# Altium PCB Copy of Mixed Signal Board Project.PcbDoc (part 1 of 2) (continued)
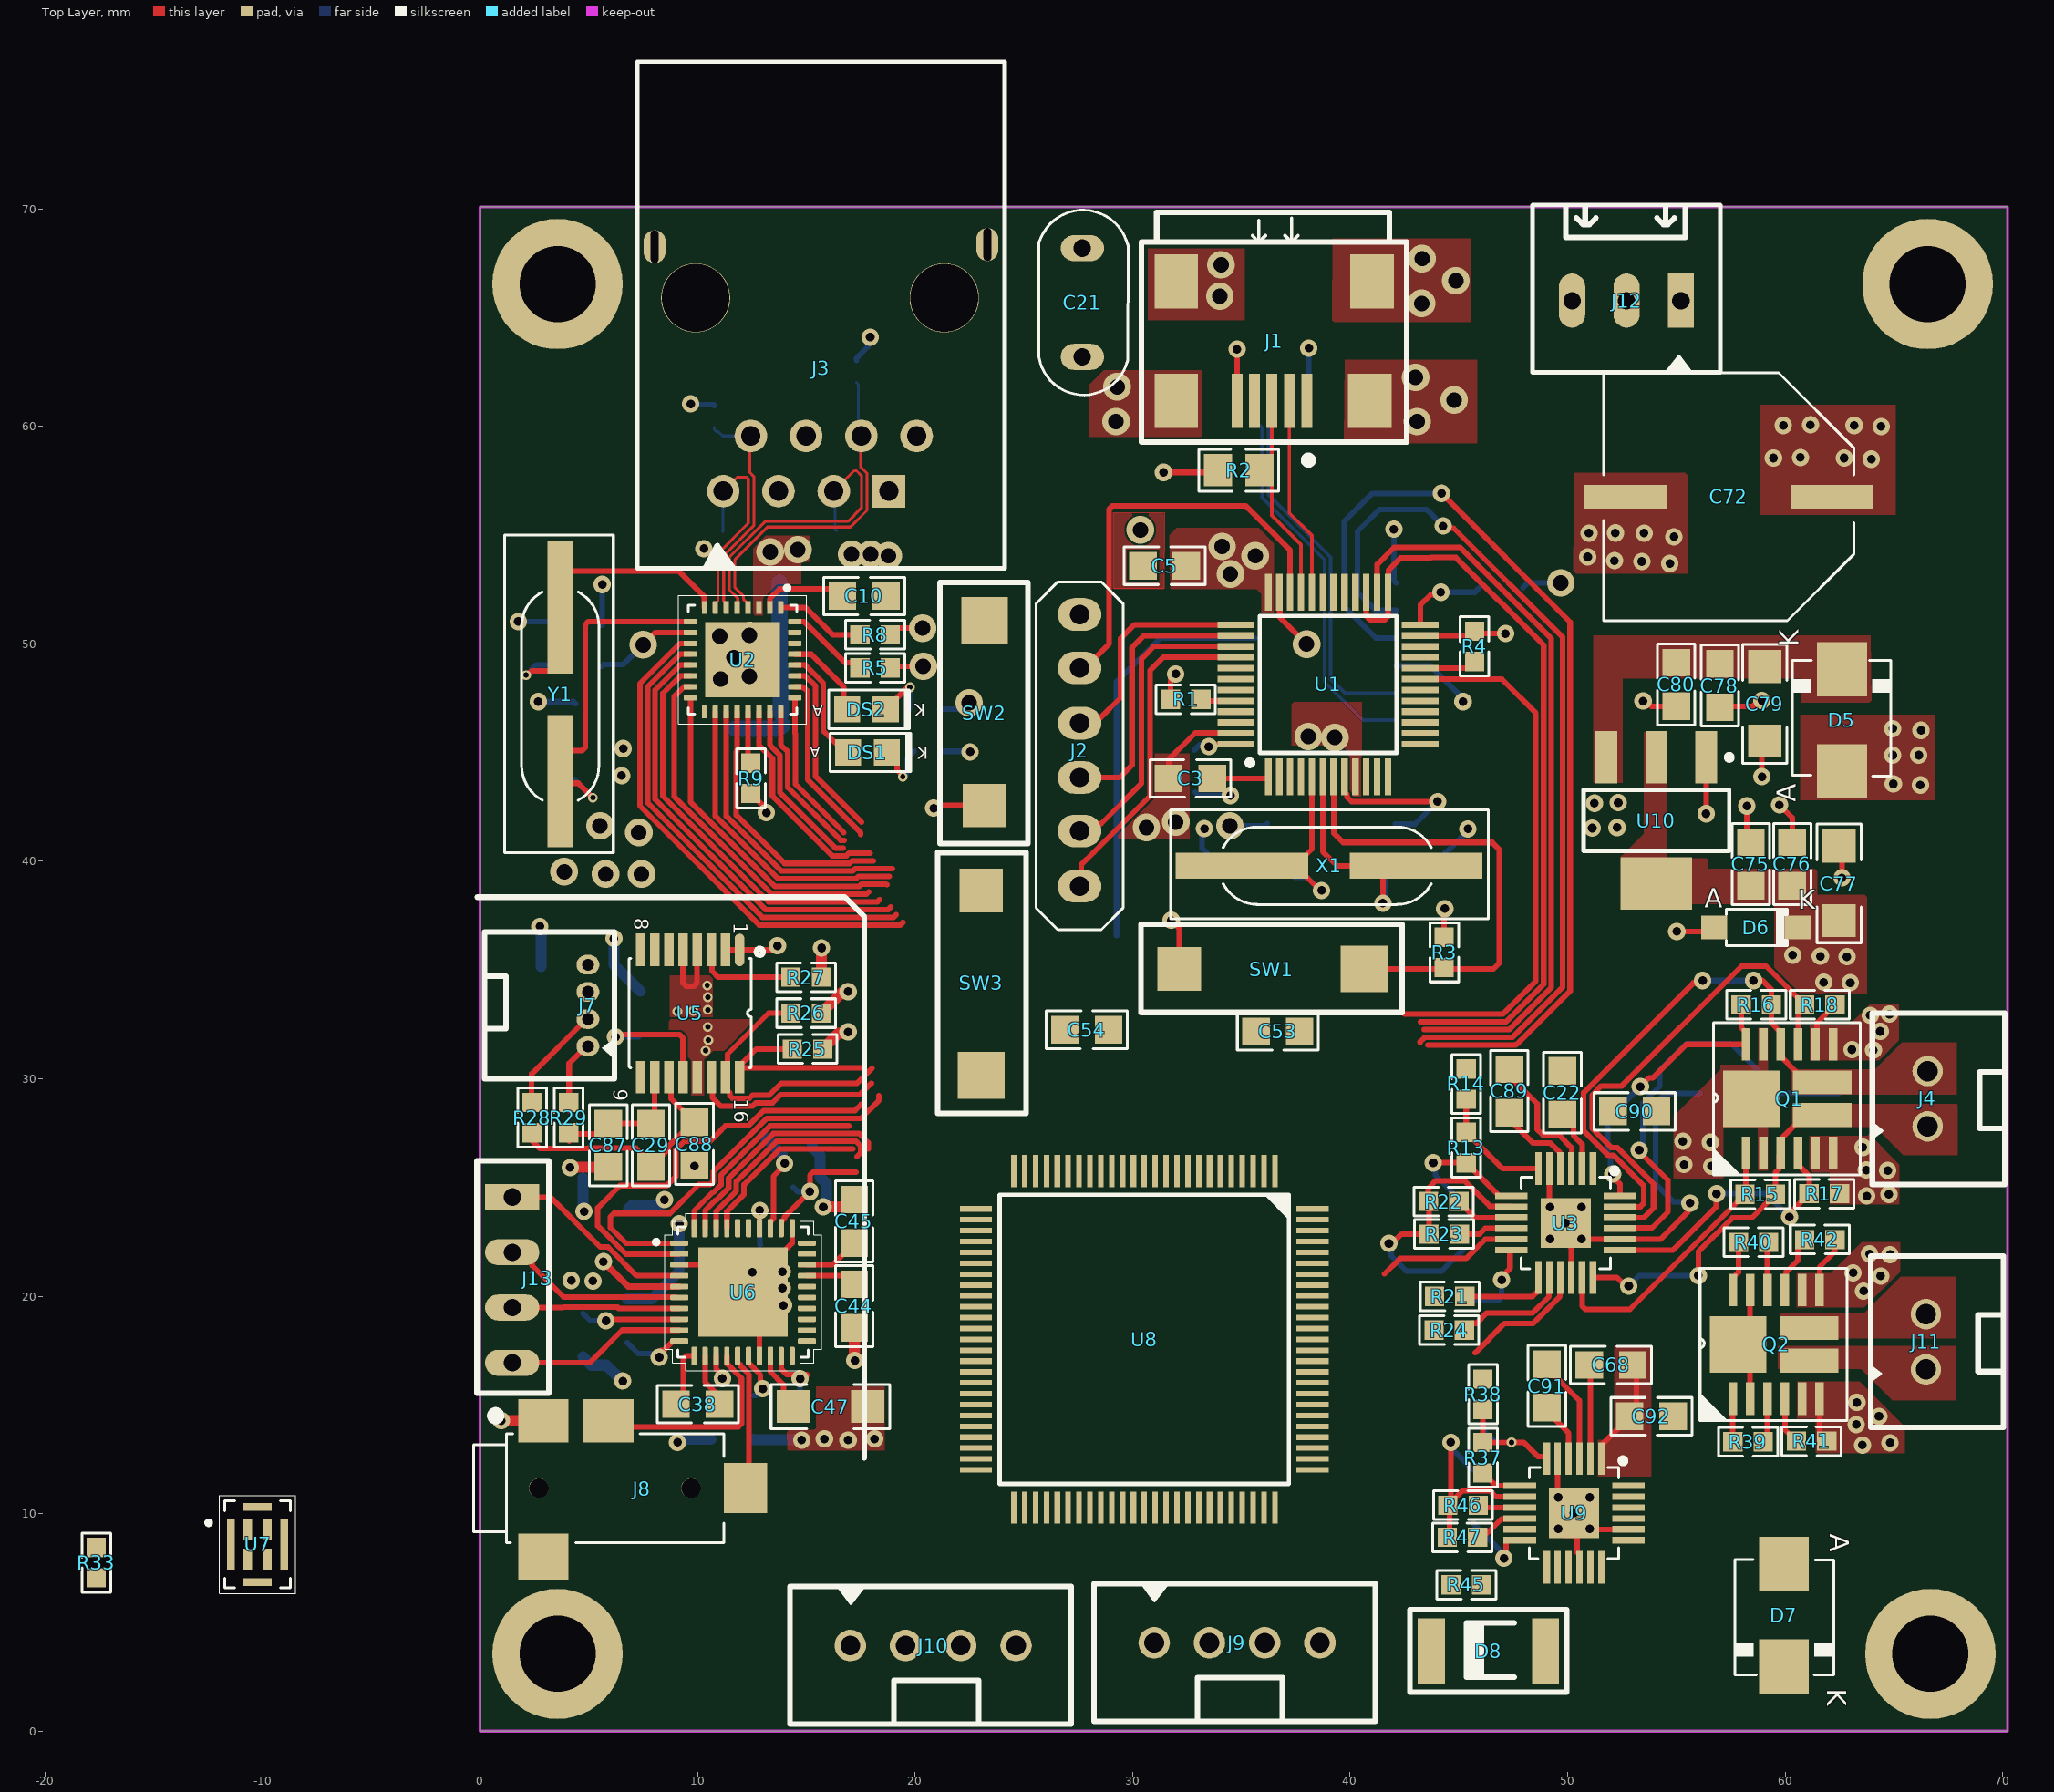
[diagram p0: Top Layer view]
## Components (designator, comment, footprint, x,y, rotation, side; value= is the part's Value field where it differs from the comment)
C1 "4.7uF" CAP_0805 31.826,45.11 r0 bottom
C2 "0.1uF" CAP_0805 31.877,43.18 r180 bottom
C3 "0.1uF" CAP_0805 32.655,43.815 r180 top
C4 "30pF" CAP_0805 35.941,39.776 r0 bottom
C5 "0.1uF" CAP_0805 31.471,53.594 r0 top
C6 "30pF" CAP_0805 42.621,39.624 r180 bottom
C7 "10nF" CAP_0805 37.186,41.732 r0 bottom
C8 "1uF" CAP_0805 41.072,41.707 r180 bottom
C9 "0.1uF" CAP_0805 46.939,52.578 r0 bottom
C10 "2nF" CAP_0805 17.653,52.197 r0 top
C11 "10uF" CAP_1206 15.596,46.253 r0 bottom
C12 "1uF" CAP_0805 14.754,48.895 r180 bottom
C13 "0.1uF" CAP_0805 14.754,50.927 r180 bottom
C14 "10nF" CAP_0805 14.754,52.832 r180 bottom
C15 "20pF" CAP_0805 3.556,50.038 r90 bottom
C16 "10nF" CAP_0805 9.271,42.672 r90 bottom
C17 "0.1uF" CAP_0805 11.303,42.672 r90 bottom
C18 "1uF" CAP_0805 14.63,42.85 r90 bottom
C19 "10uF" CAP_1206 16.688,42.139 r270 bottom
C20 "20pF" CAP_0805 3.683,42.774 r270 bottom
C21 "10nF" CAP_P196_102X287_H332_RAD_TH 27.686,68.199 r270 top
C22 "1uF" CAP_0805 49.759,29.362 r90 top
C23 "100uF" ACAP_P236_D305_H303_RAD 50.419,32.385 r180 bottom
C24 "1uF" CAP_0805 44.221,24.257 r0 bottom
C25 "1uF" CAP_0805 44.192,22.138 r180 bottom
C26 "0.1uF" CAP_0805 31.496,53.594 r0 bottom
C27 "0.1uF" CAP_0805 9.398,33.02 r270 bottom
C28 "0.1uF" CAP_0805 7.366,33.02 r270 bottom
C29 "0.1uF" CAP_0805 7.849,26.949 r270 top
C30 "0.1uF" CAP_0805 2.794,34.163 r270 bottom
C31 "22nF" CAP_0805 6.223,14.249 r180 bottom
C32 "22nF" CAP_0805 16.104,10.135 r270 bottom
C33 "0.1uF" CAP_0805 11.862,18.491 r180 bottom
C34 "1uF" CAP_0805 12.878,21.361 r90 bottom
C35 "0.1uF" CAP_0805 14.986,21.336 r90 bottom
C36 "0.1uF" CAP_0805 12.548,14.427 r90 bottom
C37 "1uF" CAP_0805 10.617,14.427 r90 bottom
C38 "1uF" CAP_0805 10.008,15.037 r0 top
C39 "1uF" CAP_0805 6.756,18.872 r270 bottom
C40 "0.1uF" CAP_0805 4.724,18.212 r90 bottom
C41 "10uF" CAP_1206 4.719,23.737 r270 bottom
C42 "0.1uF" CAP_0805 6.833,23.038 r270 bottom
C43 "0.1uF" CAP_0805 14.097,27.305 r180 bottom
C44 "150pF" CAP_0805 17.196,19.549 r270 top
C45 "150pF" CAP_0805 17.196,23.444 r90 top
C46 "1uF" CAP_0805 15.265,14.961 r0 bottom
C47 "10uF" CAP_1206 16.104,14.935 r0 top
C48 "1uF" CAP_0805 -15.342,7.747 r90 bottom
C49 "0.1uF" CAP_0805 -13.767,7.722 r90 bottom
C50 "0.1uF" CAP_0805 36.195,6.096 r180 bottom
C51 "0.1uF" CAP_0805 21.971,5.969 r180 bottom
C52 "0.1uF" CAP_0805 23.673,34.163 r270 bottom
C53 "30pF" CAP_0805 36.678,32.182 r180 top
C54 "30pF" CAP_0805 27.889,32.258 r0 top
C55 "4.7nF" CAP_0805 35.001,22.25 r0 bottom
C56 "0.1uF" CAP_0805 35.941,13.513 r270 bottom
C57 "0.1uF" CAP_0805 25.019,13.513 r270 bottom
C58 "0.1uF" CAP_0805 23.063,21.539 r90 bottom
C59 "0.1uF" CAP_0805 28.829,21.615 r90 bottom
C60 "0.1uF" CAP_0805 31.775,22.733 r90 bottom
C61 "2.2uF" CAP_0805 22.86,13.614 r270 bottom
C62 "2.2uF" CAP_0805 34.011,13.487 r270 bottom
C63 "1uF" CAP_0805 28.245,24.384 r180 bottom
C64 "1uF" CAP_0805 24.257,24.384 r0 bottom
C65 "0.1uF" CAP_0805 25.121,21.59 r90 bottom
C66 "0.1uF" CAP_0805 27.026,21.59 r90 bottom
C67 "0.1uF" CAP_0805 34.976,24.206 r0 bottom
C68 "1uF" CAP_0805 51.994,16.84 r0 top
C70 "1uF" CAP_0805 46.152,14.808 r270 bottom
C71 "1uF" CAP_0805 44.653,12.014 r180 bottom
C72 "100uF" ACAP_P305_D393_H393_RAD 57.404,56.769 r180 top
C73 "100uF" ACAP_P305_D393_H393_RAD 57.404,56.769 r180 bottom
C74 "100uF" ACAP_P305_D393_H393_RAD 57.023,45.847 r180 bottom
C75 "0.1uF" CAP_0805 58.42,39.878 r270 top
C76 "1uF" CAP_0805 60.325,39.878 r270 top
C77 "10uF" CAP_1206 62.484,38.989 r270 top
C78 "1uF" CAP_0805 56.998,48.082 r270 top
C79 "10uF" CAP_1206 59.055,47.244 r90 top
C80 "0.1uF" CAP_0805 54.991,48.133 r90 top
C81 "0.1uF" CAP_0805 46.609,3.175 r270 bottom
C82 "1uF" CAP_0805 44.577,3.175 r270 bottom
C83 "10uF" CAP_1206 42.418,3.937 r270 bottom
C84 "1uF" CAP_0805 58.928,5.207 r270 bottom
C85 "10uF" CAP_1206 60.833,4.953 r90 bottom
C86 "0.1uF" CAP_0805 57.023,5.207 r90 bottom
C87 "10nF" CAP_0805 5.893,26.949 r90 top
C88 "10nF" CAP_0805 9.855,27 r90 top
C89 "0.1uF" CAP_0805 47.32,29.439 r90 top
C90 "0.1uF" CAP_0805 53.086,28.499 r180 top
C91 "0.1uF" CAP_0805 49.047,15.875 r90 top
C92 "0.1uF" CAP_0805 53.848,14.478 r180 top
C93 "20pF" CAP_0805 10.084,39.675 r180 bottom
D1 "ESD3V3D9-TP" DIO_SOD-923 11.151,54.664 r270 bottom
D2 "ESD3V3D9-TP" DIO_SOD-923 10.77,60.449 r90 bottom
D3 "ESD3V3D9-TP" DIO_SOD-923 16.383,54.686 r270 bottom
D4 "ESD3V3D9-TP" DIO_SOD-923 17.297,62.532 r90 bottom
D5 "MBRS130LT3G" DIO_SMB_DO-214AA 62.611,46.482 r90 top
D6 "BZT52C3V3-7-F" DIO_SOD-123 58.674,36.957 r0 top
D7 "MBRS130LT3G" DIO_SMB_DO-214AA 59.944,5.334 r270 top
D8 "1.8V Zener" DIO_DO-213AB_SMD 46.355,3.683 r0 top
DS1 "RED LED" LED_0805 17.805,45.009 r180 top
DS2 "RED LED" LED_0805 17.755,46.99 r180 top
FB1 "1K" IND_0805 10.744,46.152 r180 bottom
FB2 "1K" IND_0805 11.684,32.959 r270 bottom
FB3 "1K" IND_0805 10.795,21.387 r90 bottom
FB4 "1K" IND_0805 26.441,26.34 r0 bottom
J1 "USB2.0 MINI B" CON_690-005-299-043 32.004,61.175 r270 top
J2 "Bergstrip 2.54mm" CON6_100_59D78_TH_ST 27.559,38.855 r90 top
J3 "RJ45 LAN" CON10_P106_RJ45_TH_ST 21.321,65.968 r180 top
J4 "B2B-XH-A(LF)(SN)" CON2_100_B2B-XH-A_TH_ST 66.548,27.813 r90 top
J5 "USB2.0 MINI B" CON_690-005-299-043 40.904,61.175 r270 bottom
J7 "1.25MM Spade 4PIN" CON4_50_653004117322_TH_RA 4.953,35.246 r90 top
J8 "4X1 STEREO" CON_SJ-2504A-SMT-TR_SMD 6.198,11.176 r0 top
J9 "B4B-XH-A(LF)(SN)" CON4_100_B4B-XH-A_TH_ST 30.988,4.064 r0 top
J10 "B4B-XH-A(LF)(SN)" CON4_100_B4B-XH-A_TH_ST 17.018,3.937 r0 top
J11 "B2B-XH-A(LF)(SN)" CON2_100_B2B-XH-A_TH_ST 66.472,16.637 r90 top
J12 "Terminal Block 2.5mm" CON3_100_TB_TH_ST 52.705,65.786 r270 top
J13 "4X1 BERG STRIP" CON4_100_40D72_TH_ST_MALE 1.473,24.562 r0 top
MH1 "Mounting Hole" MOUNTING 3.556,66.548 r180 bottom
MH2 "Mounting Hole" MOUNTING 66.548,66.548 r180 bottom
MH3 "Mounting Hole" MOUNTING 3.556,3.556 r180 bottom
MH4 "Mounting Hole" MOUNTING 66.675,3.556 r180 bottom
Q1 "FDMQ86530L" DFN5045-12_33_212_27X15_SMD_1 60.198,29.083 r0 top
Q2 "FDMQ86530L" DFN5045-12_33_212_27X15_SMD_1 59.587,17.792 r0 top
R1 "100K" RES_0603 32.436,47.447 r180 top
R2 "1.5K" RES_0805 34.874,57.988 r0 top
R3 "10K" RES_0603 44.323,35.814 r90 top
R4 "100K" RES_0603 45.72,49.886 r270 top
R5 "10K" RES_0603 18.158,48.895 r0 top
R6 "3K3" RES_0603 20.65,45.06 r0 bottom
R7 "3K3" RES_0603 20.422,46.99 r0 bottom
R8 "10K" RES_0603 18.158,50.419 r0 top
R9 "10K" RES_0603 12.446,43.815 r270 top
R10 "6.49K" RES_0805 5.588,49.911 r90 bottom
R11 "10K" RES_0603 5.08,47.244 r0 bottom
R12 "1M" RES_1206 25.527,67.31 r90 bottom
R13 "2K" RES_0603 45.335,26.837 r90 top
R14 "3K3" RES_0603 45.335,29.758 r90 top
R15 "10K" RES_0603 58.852,24.689 r180 top
R16 "10K" RES_0603 58.674,33.401 r180 top
R17 "10K" RES_0603 61.798,24.714 r180 top
R18 "10K" RES_0603 61.595,33.401 r180 top
R19 "33K" RES_0805 44.247,19.812 r180 bottom
R20 "50mOHM" RES_2512 59.284,29.337 r0 bottom
R21 "10K" RES_0603 44.577,19.99 r0 top
R22 "10K" RES_0603 44.298,24.359 r180 top
R23 "10K" RES_0603 44.323,22.86 r180 top
R24 "10K" RES_0603 44.552,18.44 r0 top
R25 "10K" RES_0603 15.049,31.369 r0 top
R26 "10K" RES_0603 14.986,33.02 r0 top
R27 "10K" RES_0603 14.986,34.671 r0 top
R28 "1K" RES_0603 2.388,28.219 r90 top
R29 "1K" RES_0603 4.064,28.219 r90 top
R30 "51.1R" RES_0603 6.68,12.294 r180 bottom
R31 "51.1R" RES_0603 14.224,10.643 r270 bottom
R32 "10K" RES_0603 13.691,25.019 r180 bottom
R33 "10K" RES_0603 -17.653,7.747 r90 top
R34 "100K" RES_0603 25.883,18.491 r180 bottom
R35 "10K" RES_0603 21.895,33.706 r90 bottom
R36 "100K" RES_0603 35.484,20.472 r0 bottom
R37 "2K" RES_0603 46.101,12.573 r90 top
R38 "3K3" RES_0603 46.101,15.494 r90 top
R39 "10K" RES_0603 58.293,13.31 r180 top
R40 "10K" RES_0603 58.547,22.479 r180 top
R41 "10K" RES_0603 61.214,13.335 r180 top
R42 "10K" RES_0603 61.595,22.606 r180 top
R43 "33K" RES_0805 44.704,9.652 r180 bottom
R44 "50mOHM" RES_2512 59.055,18.161 r0 bottom
R45 "10K" RES_0603 45.339,6.731 r0 top
R46 "10K" RES_0603 45.187,10.389 r180 top
R47 "10K" RES_0603 45.161,8.915 r180 top
R48 "10K" RES_0603 45.339,6.35 r180 bottom
SW1 "TACTILE SWITCH" SW_342_SMD 32.14,35.052 r180 top
SW2 "TACTILE SWITCH" SW_342_SMD 23.19,42.57 r270 top
SW3 "TACTILE SWITCH" SW_342_SMD 23.038,38.659 r90 top
U1 "STM32F103C8T6" LQFP-48_19.6_393_58X11_SMD 38.989,48.133 r90 top
U2 "DP83826IRHBR" VQFN32_19_218_23X9_SMD 12.065,49.276 r270 top
U3 "DRV8701ERGET" VFQFN24_19.6_196_12X32_SMD_1 47.911,24.618 r270 top
U4 "CH340C" SOIC16_50_284_25X90_SMT 38.862,48.387 r180 bottom
U5 "ADS122C04IPW" TSSOP16_25-59_294_54X14_SMT 9.652,33.02 r270 top
U6 "CS43L22-CNZ" QFN40_19_284_33X9_SMD 12.09,20.193 r0 top
U7 "IMP34DT05TR" HCLGA-4_53_137_15X37_SMD -10.236,8.585 r0 top
U8 "STM32F407VGT6" QFN100_19.6_669_58X10_SMD 30.408,18.018 r270 top locked
U9 "DRV8701ERGET" VFQFN24_19.6_196_12X32_SMD_1 48.292,11.283 r270 top
U10 "LD1117S33CTR" SOT223_3 54.102,41.91 r270 top
U11 "LD1117S18TR" SOT223_3 51.943,3.81 r180 bottom
X1 "8Mhz" XTAL_314_240X47_SMD 35.028,39.802 r0 top
X2 "8Mhz" XTAL_314_240X47_SMD 27.864,32.156 r0 bottom
Y1 "25Mhz -14mm" XTAL_314_240X47_SMD 3.683,43.688 r90 top

## Footprints (in the part's own frame and the unit in brackets; to place one, negate y for a bottom-side part, rotate by r counter-clockwise, add the part's x,y. Pads: shape width x height; smd on the part's side, far side on the other; paste and mask are expansions set on the pad)
ACAP_P236_D305_H303_RAD [mm] "Aluminium Capacitor"
  rect 3x0.8 smd mask+0.076: 1(-3,0) 2(3,0)
  silkscreen extent -3.75,-3.5 4,3.5, body extent -3.5,-3.3 3.5,3.3, height 8.11
ACAP_P305_D393_H393_RAD [mm] "Aluminium Capacitor"
  rect 3.81x1.1 smd: 1(-4.75,0) 2(4.75,0)
  silkscreen extent -5.75,-5.7 5.75,5.7, body extent -5.5,-5.2 5.5,5.2, height 10.41
CAP_0805 [mm] "Ceramic Capacitor"
  rect 1.27x1.27 smd mask+0.076: 1(-1,0) 2(1,0)
  silkscreen extent -1.86,-0.86 1.86,0.86, body extent -1,-0.62 1,0.63, height 0.78
CAP_1206 [mil] "Ceramic Capacitor"
  rect 60x60 smd: 1(-67.49,-0.2) 2(67.51,-0.2)
  silkscreen extent -107,-40 108,40, body extent -63,-31 63,32, height 39
CAP_P196_102X287_H332_RAD_TH [mm] "Y1 CAP, TROUGH HOLE"
  oval 1.2x2 hole 0.8 mask+0.076: 1(0,0) 2(5,0)
  silkscreen extent -1.75,-2 6.75,2.1, body extent -1.04,-1.3 6.04,1.3, height 9.14
CON2_100_B2B-XH-A_TH_ST [mm] "Connector Header"
  round 1.4 hole 0.94: 1(0,0) 2(2.54,0)
  silkscreen extent -2.67,-3.56 5.21,2.54, body extent -2.41,-3.5 5.01,2.54, height 8.44
CON3_100_TB_TH_ST [mm]
  rect 2.5x1.2 hole 0.8: 1(0,2.5)
  oval 2.5x1.2 hole 0.8: 2(0,0) 3(0,-2.5)
  silkscreen extent -4.4,-4.32 3.3,4.32, body extent -2.5,-4.07 3.1,4.07, height 12.86
CON4_50_653004117322_TH_RA [mm] "wurth connector"
  oval 0.9x1.05 hole 0.55: 1(-3.75,0) 2(-2.5,0) 3(-1.25,0) 4(0,0)
  silkscreen extent -5.25,-1.34 1.5,4.75, body extent -5.27,-0.45 1.48,4.98, height 3.65
CON4_100_40D72_TH_ST_MALE [mm] "Berg Strip"
  rect 2.5x1.2 hole 0.8: 1(0,0)
  oval 2.5x1.2 hole 0.8: 2(0,-2.54) 3(0,-5.08) 4(0,-7.62)
  round 1.016 on Top Overlay: ""(2.311,0.178)
  silkscreen extent -1.63,-9.02 1.68,1.68, body extent -1.14,-8.76 1.4,1.4, height 8.55
CON4_100_B4B-XH-A_TH_ST [mm] "Connector Header"
  round 1.45 hole 0.91: 1(0,0) 2(2.54,0) 3(5.08,0) 4(7.62,0)
  silkscreen extent -2.77,-3.61 10.16,2.72, body extent -2.4,-3.28 10,2.48, height 8.32
CON6_100_59D78_TH_ST [mm] "Bergstrip"
  oval 1.5x2 hole 0.9: 1(0,0) 2(2.54,0) 3(5,0) 4(7.5,0) 5(10.04,0) 6(12.5,0)
  silkscreen extent -2,-2 14,2, body extent -1.35,-1.24 13.89,1.3, height 8.55
CON10_P106_RJ45_TH_ST [mm] "LAN Connector"
  round 1.5 hole 0.89 paste-1000 mask+0: 1(10.145,8.945) 2(8.875,6.405) 3(7.605,8.945) 4(6.335,6.405) 5(5.065,8.945) 6(3.795,6.405) 8(1.255,6.405)
  rect 1.5x1.5 hole 0.89 paste-1000 mask+0: 7(2.525,8.945)
  oval 1x1.524 hole 1.5 slot 0.35 at 0 deg: 9(13.3,-2.3) 10(-2,-2.4)
  round 3.18 hole 3.12 unplated paste-1000 mask+0: ""(-0.015,0.055) ""(11.415,0.055)
  silkscreen extent -2.79,-10.8 14.1,12.5, body extent -2.53,-3.5 13.73,12.25, height 13.04
CON_690-005-299-043 [mm] "USB MINI-B"
  rect 2.5x0.5 smd: 1(0,6) 2(0,5.2) 3(0,4.4) 4(0,3.6) 5(0,2.8)
  rect 2.5x2 smd: 6(-5.5,9) 6(-5.5,0) 6(0,8.9) 6(0,0)
  silkscreen extent -8.66,-1.6 2.88,10.6, body extent -8.4,-0.55 0.6,9.35, height 3.96
CON_SJ-2504A-SMT-TR_SMD [mm]
  rect 2.3x2 smd: 1(-3.3,3.1) 3(-0.3,3.1)
  rect 2x2.3 smd: 2(6,0)
  rect 2.3x2.1 smd: 4(-3.3,-3.15)
  round 0.9 hole 0.9 unplated: ""(-3.5,0) ""(3.5,0)
  silkscreen extent -6.5,-2.5 5,3.53, body extent -6.5,-4 6.5,4, height 4.01
DFN5045-12_33_212_27X15_SMD_1 [mm] "CASE: DFN5045"
  rect 0.4x1.5 smd: 1(-2,-2.5) 2(-1.2,-2.5) 3(-0.4,-2.5) 4(0.4,-2.5) 5(1.2,-2.5) 6(2,-2.5) 7(2,2.5) 8(1.2,2.5) 9(0.4,2.5) 10(-0.4,2.5) 11(-1.2,2.5) 12(-2,2.5)
  rect 2.7x1.1 smd: 13(1.5,-0.75) 14(1.5,0.75)
  rect 2.6x2.6 smd: 15(-1.75,0)
  silkscreen extent -3.5,-3.5 3.25,3.5, body extent -2.5,-2.36 2.5,2.36, height 0.9
DIO_DO-213AB_SMD [mm] "Diode"
  rect 1.25x3 smd: A(2.625,0) K(-2.625,0)
  silkscreen extent -3.61,-1.9 3.6,1.9, body extent -2.49,-1.25 2.51,1.25, height 2.75
DIO_SMB_DO-214AA [mm] "Diode"
  rect 2.5x2.3 smd: A(-2.35,0) K(2.354,0)
  silkscreen extent -2.56,-2.25 2.75,2.29, body extent -2.56,-1.84 2.84,1.76, height 2.27
DIO_SOD-123 [mm] "DIODE GEN PURP"
  rect 1.2x1.1 smd mask+0.076: A(-1.937,0.006) K(1.923,0.006)
  silkscreen extent -1.38,-0.84 1.44,0.86, body extent -1.92,-0.84 1.92,0.86, height 1.43
DIO_SOD-923 [mm]
  rrect25% 0.49x0.3 smd: A(0.505,0) K(-0.505,0)
  silkscreen extent -1.27,-0.33 1.02,0.33
HCLGA-4_53_137_15X37_SMD [mm]
  rect 0.4x0.95 smd: 1(-0.45,0.675) 2(-0.45,-0.675) 3(0.45,-0.675) 4(0.45,0.675)
  rect 0.35x2.3 smd: 5(-1.225,0) 5(1.225,0)
  rect 1.3x0.35 smd: 5(0,-1.725) 5(0,1.725)
  silkscreen extent -2.35,-2.25 1.75,2.25, body extent -1.5,-2 1.5,2, height 1.02
IND_0805 [mm] "Ferrite Bead"
  rect 1.3x1.5 smd mask+0.076: 1(0.95,0) 2(-0.95,0)
  silkscreen extent -1.83,-0.97 1.83,0.97, body extent -1,-0.63 1,0.62, height 0.5
LED_0805 [mm] "LED"
  rect 1.2x1.2 smd mask+0.076: A(0.889,0) K(-0.889,0)
  silkscreen extent -1.99,-0.89 1.73,0.89, body extent -1.01,-0.62 1.01,0.63, height 1.1
LQFP-48_19.6_393_58X11_SMD [mm] "48LQFP"
  rect 1.7x0.3 smd mask+0.076: 1(-4.238,2.75) 2(-4.238,2.25) 3(-4.238,1.75) 4(-4.238,1.25) 5(-4.238,0.75) 6(-4.238,0.25) 7(-4.238,-0.25) 8(-4.238,-0.75) 9(-4.238,-1.25) 10(-4.238,-1.75) 11(-4.238,-2.25) 12(-4.238,-2.75) 25(4.238,-2.75) 26(4.238,-2.25) 27(4.238,-1.75) 28(4.238,-1.25) 29(4.238,-0.75) 30(4.238,-0.25) 31(4.238,0.25) 32(4.238,0.75) 33(4.238,1.25) 34(4.238,1.75) 35(4.238,2.25) 36(4.238,2.75)
  rect 0.3x1.7 smd mask+0.076: 13(-2.75,-4.238) 14(-2.25,-4.238) 15(-1.75,-4.238) 16(-1.25,-4.238) 17(-0.75,-4.238) 18(-0.25,-4.238) 19(0.25,-4.238) 20(0.75,-4.238) 21(1.25,-4.238) 22(1.75,-4.238) 23(2.25,-4.238) 24(2.75,-4.238) 37(2.75,4.238) 38(2.25,4.238) 39(1.75,4.238) 40(1.25,4.238) 41(0.75,4.238) 42(0.25,4.238) 43(-0.25,4.238) 44(-0.75,4.238) 45(-1.25,4.238) 46(-1.75,4.238) 47(-2.25,4.238) 48(-2.75,4.238)
  silkscreen extent -3.72,-3.15 3.15,3.72, body extent -4.5,-4.5 4.5,4.5, height 1.7
MOUNTING [mm] "MH"
  round 6 hole 3.5: 1(0,0)
  silkscreen extent -3.3,-3.3 3.3,3.3, body extent -3,-2.75 3,2.75, height 4.24
QFN40_19_284_33X9_SMD [mm]
  rrect48% 0.84x0.25 smd: 1(-2.935,2.25) 2(-2.935,1.75) 3(-2.935,1.25) 4(-2.935,0.75) 5(-2.935,0.25) 6(-2.935,-0.25) 7(-2.935,-0.75) 8(-2.935,-1.25) 9(-2.935,-1.75) 10(-2.935,-2.25) 21(2.935,-2.25) 22(2.935,-1.75) 23(2.935,-1.25) 24(2.935,-0.75) 25(2.935,-0.25) 26(2.935,0.25) 27(2.935,0.75) 28(2.935,1.25) 29(2.935,1.75) 30(2.935,2.25)
  rrect48% 0.25x0.84 smd: 11(-2.25,-2.935) 12(-1.75,-2.935) 13(-1.25,-2.935) 14(-0.75,-2.935) 15(-0.25,-2.935) 16(0.25,-2.935) 17(0.75,-2.935) 18(1.25,-2.935) 19(1.75,-2.935) 20(2.25,-2.935) 31(2.25,2.935) 32(1.75,2.935) 33(1.25,2.935) 34(0.75,2.935) 35(0.25,2.935) 36(-0.25,2.935) 37(-0.75,2.935) 38(-1.25,2.935) 39(-1.75,2.935) 40(-2.25,2.935)
  rect 4.1x4.1 smd paste-3: 41(0,0)
  silkscreen extent -4.1,-3.61 3.61,3.61, body extent -3.07,-3 3.07,3.15, height 1.06
QFN100_19.6_669_58X10_SMD [mm] "CASE: QFN"
  rect 1.475x0.254 smd mask+0.076: 1(-7.738,6.127) 2(-7.738,5.627) 3(-7.738,5.127) 4(-7.738,4.627) 5(-7.738,4.127) 6(-7.738,3.627) 7(-7.738,3.127) 8(-7.738,2.627) 9(-7.738,2.127) 10(-7.738,1.627) 11(-7.738,1.127) 12(-7.738,0.627) 13(-7.738,0.127) 14(-7.738,-0.373) 15(-7.738,-0.873) 16(-7.738,-1.373) 17(-7.738,-1.873) 18(-7.738,-2.373) 19(-7.738,-2.873) 20(-7.738,-3.373) 21(-7.738,-3.873) 22(-7.738,-4.373) 23(-7.738,-4.873) 24(-7.738,-5.373) 25(-7.738,-5.873) 51(7.738,-5.873) 52(7.738,-5.373) 53(7.738,-4.873) 54(7.738,-4.373) 55(7.738,-3.873) 56(7.738,-3.373) 57(7.738,-2.873) 58(7.738,-2.373) 59(7.738,-1.873) 60(7.738,-1.373) 61(7.738,-0.873) 62(7.738,-0.373) 63(7.738,0.127) 64(7.738,0.627) 65(7.738,1.127) 66(7.738,1.627) 67(7.738,2.127) 68(7.738,2.627) 69(7.738,3.127) 70(7.738,3.627) 71(7.738,4.127) 72(7.738,4.627) 73(7.738,5.127) 74(7.738,5.627) 75(7.738,6.127)
  rect 0.254x1.475 smd mask+0.076: 26(-6,-7.611) 27(-5.5,-7.611) 28(-5,-7.611) 29(-4.5,-7.611) 30(-4,-7.611) 31(-3.5,-7.611) 32(-3,-7.611) 33(-2.5,-7.611) 34(-2,-7.611) 35(-1.5,-7.611) 36(-1,-7.611) 37(-0.5,-7.611) 38(0,-7.611) 39(0.5,-7.611) 40(1,-7.611) 41(1.5,-7.611) 42(2,-7.611) 43(2.5,-7.611) 44(3,-7.611) 45(3.5,-7.611) 46(4,-7.611) 47(4.5,-7.611) 48(5,-7.611) 49(5.5,-7.611) 50(6,-7.611) 76(6,7.865) 77(5.5,7.865) 78(5,7.865) 79(4.5,7.865) 80(4,7.865) 81(3.5,7.865) 82(3,7.865) 83(2.5,7.865) 84(2,7.865) 85(1.5,7.865) 86(1,7.865) 87(0.5,7.865) 88(0,7.865) 89(-0.5,7.865) 90(-1,7.865) 91(-1.5,7.865) 92(-2,7.865) 93(-2.5,7.865) 94(-3,7.865) 95(-3.5,7.865) 96(-4,7.865) 97(-4.5,7.865) 98(-5,7.865) 99(-5.5,7.865) 100(-6,7.865)
  silkscreen extent -6.65,-6.52 6.65,6.78, body extent -8,-8 8,8.13, height 1.6
RES_0603 [mil] "CASE: 0603"
  rect 35x35 smd mask+3: 1(-27.5,0) 2(27.5,0)
  silkscreen extent -53,-26 54,26, body extent -31,-16 31,16, height 18
RES_0805 [mm] "Resister"
  rect 1.3x1.5 smd mask+0.076: 1(0.95,0) 2(-0.95,0)
  silkscreen extent -1.83,-0.97 1.83,0.97, body extent -1,-0.63 1,0.62, height 0.5
RES_1206 [mm] "CASE: 1206"
  rect 1.35x1.75 smd: 1(1.5,0) 2(-1.5,0)
  silkscreen extent -2.44,-1.15 2.46,1.11, body extent -1.55,-0.77 1.55,0.78, height 0.55
RES_2512 [mil] "CASE: 2512"
  rect 80x125 smd: 1(-125,0) 2(125,0)
  silkscreen extent -178,-74 177,74, body extent -139,-60 136,61, height 19
SOIC16_50_284_25X90_SMT [mm]
  oval 2.5x0.635 smd mask+0.076: 1(-3.25,4.42)
  rect 2.5x0.635 smd mask+0.076: 2(-3.25,3.15) 3(-3.25,1.88) 4(-3.25,0.61) 5(-3.25,-0.66) 6(-3.25,-1.93) 7(-3.25,-3.2) 8(-3.25,-4.47) 9(3.25,-4.47) 10(3.25,-3.2) 11(3.25,-1.93) 12(3.25,-0.66) 13(3.25,0.61) 14(3.25,1.88) 15(3.25,3.15) 16(3.25,4.42)
  silkscreen extent -3.07,-5.3 2.26,5.44, body extent -3.02,-4.97 2.98,4.93, height 1.4
SOT223_3 [mm] "CASE: SOT223"
  rect 2.4x1 smd: 1(-2.875,2.275) 2(-2.875,-0.025) 3(-2.875,-2.325)
  rect 2.4x3.3 smd: 4(2.925,-0.025)
  silkscreen extent -3,-3.38 1.43,3.45, body extent -3.73,-3.28 3.27,3.22, height 1.7
SW_342_SMD [mm] "CASE: SMD"
  rect 2x2 smd: 1(0,0)
  rect 2.15x2.15 smd: 2(-8.5,0)
  silkscreen extent -10.25,-2.06 1.75,2, body extent -7.17,-1.79 -1.17,1.71, height 2.4
TSSOP16_25-59_294_54X14_SMT [mm] "TSOP, 16-Leads, Body 5.00x4.40mm, Pitch 0.65mm"
  oval 1.5x0.45 smd mask+0.076: 1(-2.908,2.273)
  rect 1.5x0.45 smd mask+0.076: 2(-2.908,1.623) 3(-2.908,0.973) 4(-2.908,0.323) 5(-2.908,-0.327) 6(-2.908,-0.977) 7(-2.908,-1.627) 8(-2.908,-2.277) 9(2.942,-2.277) 10(2.942,-1.627) 11(2.942,-0.977) 12(2.942,-0.327) 13(2.942,0.323) 14(2.942,0.973) 15(2.942,1.623) 16(2.942,2.273)
  silkscreen extent -2.97,-2.81 2.51,3.35, body extent -3.2,-2.55 3.2,2.55, height 1.2
VFQFN24_19.6_196_12X32_SMD_1 [mm] "CASE: VQFN24"
  rect 1.5x0.3 smd mask+0.076: 1(-1.25,3.25) 2(-1.25,2.75) 3(-1.25,2.25) 4(-1.25,1.75) 5(-1.25,1.25) 6(-1.25,0.75) 13(3.75,0.75) 14(3.754,1.25) 15(3.754,1.75) 16(3.754,2.25) 17(3.754,2.75) 18(3.754,3.25)
  rect 0.3x1.5 smd mask+0.076: 7(0,-0.5) 8(0.5,-0.5) 9(1,-0.5) 10(1.5,-0.5) 11(2,-0.5) 12(2.5,-0.5) 19(2.5,4.5) 20(2,4.5) 21(1.5,4.5) 22(1,4.5) 23(0.5,4.5) 24(0,4.5)
  rect 2.3x2.3 smd mask+0.076: 25(1.25,2)
  silkscreen extent -1.27,-0.05 3.35,4.37, body extent -0.8,-0.05 3.3,4.05, height 1